# Altium PCB RTM_SFP.PcbDoc (part 4 of 5)
Units mm, origin at the board's own origin, x right, y up, seen from the top; angles counter-clockwise.
Board outline 182.5 x 148.5 mm, 4 copper layers (Top Layer, MidPlane_1, MidPlane_2, Bottom Layer), stack 1.614 mm thick; 376 components, 325 nets, 1560 pads, 1463 vias.
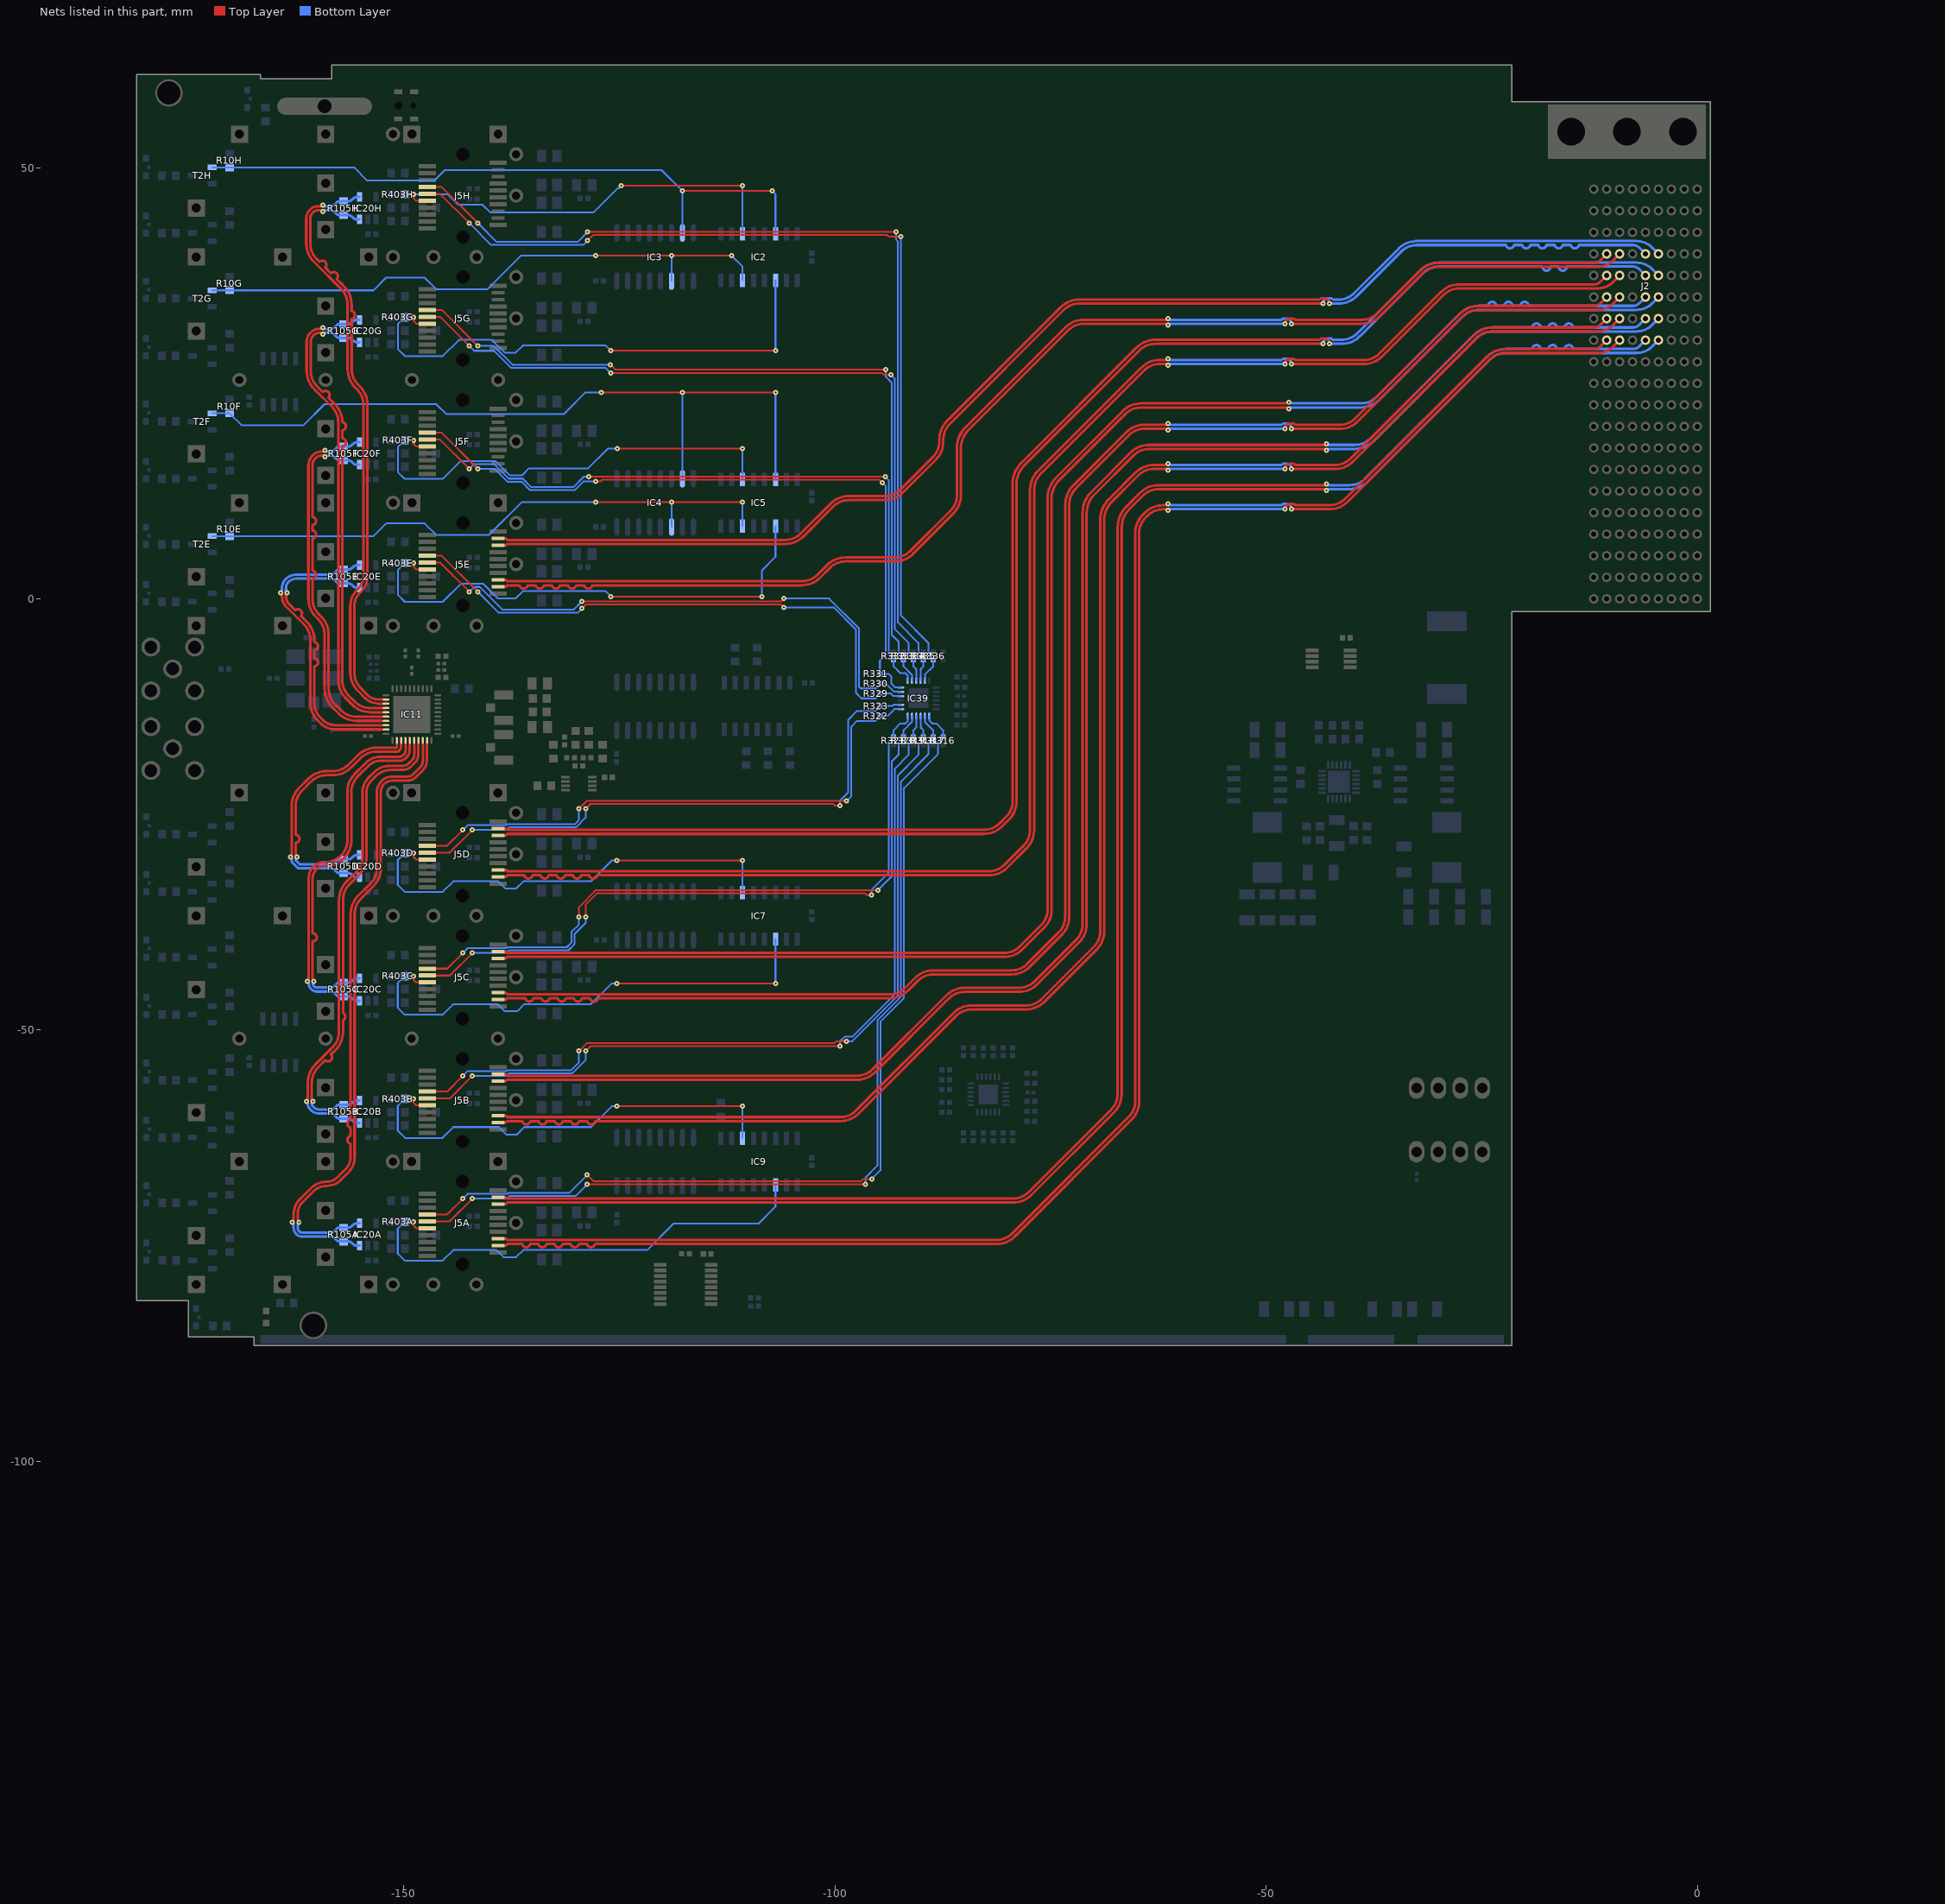
[diagram p6: the nets of this part, all layers, seen from the top]

## Via types
v1: diameter 0.6, hole 0.2, Top Layer to Bottom Layer, tented both sides, 1383 vias
v2: diameter 0.6, hole 0.3, Top Layer to Bottom Layer, tented both sides, 51 vias
v3: diameter 0.66, hole 0.33, Top Layer to Bottom Layer, tented top, 24 vias
v4: diameter 0.6, hole 0.4, Top Layer to Bottom Layer, tented both sides, 5 vias

## Nets (pads, with @x,y where several pads share a name; then routed paths per layer and width w, separated by ;. In a path a pad name is that pad's centre, name@x,y a point inside that pad or via, vN(x,y) a via of type N, cw(c..) or ccw(c..) an arc to the next point about the centre after c; other vN are vias at no path point) (continued)
SFP4RX_N: J2.F7 J5E.12 | length 150.2
  Top Layer w0.305: J5E.12@-139.075,1.406 -138.171,1.406 -138.094,1.483 -137.999,1.578 -137.54,1.578 -136.6,1.578 ccw(c-136.13,1.677) -135.66,1.578 -134.721,1.578 ccw(c-134.251,1.677) -133.781,1.578 -132.841,1.578 ccw(c-132.371,1.677) -131.901,1.578 -130.961,1.578 ccw(c-130.491,1.677) -130.022,1.578 -129.082,1.578 ccw(c-128.612,1.677) -128.142,1.578 -128.09,1.578 -103.856,1.578 ccw(c-103.856,4.571) -101.739,2.455 -100.597,3.596 cw(c-98.801,1.8) -98.801,4.34 -93.041,4.34 ccw(c-93.041,7.255) -90.98,5.194 -86.281,9.893 ccw(c-88.382,11.995) -85.41,11.995 -85.41,17.461 cw(c-82.413,17.461) -84.532,19.58 ; -84.532,19.58 -72.949,31.164 cw(c-71.153,29.368) -71.153,31.908 -61.529,31.908 v1(-61.382,31.76) ; v1(-47.82,31.908) cw(c-47.215,31.908) -47.215,32.512 -46.809,32.512 -46.662,32.365 -38.904,32.365 ccw(c-38.904,34.905) -37.108,33.109 -32.128,38.088 cw(c-30,35.96) -30,38.97 -11.933,38.97 ccw(c-11.933,39.943) -11.245,39.255 J2.F7@-10.5,40
  Bottom Layer w0.305: v1(-61.382,31.76) -61.234,31.908 v1@-47.968,31.908
SFP4RX_P: J2.E7 J5E.13 | length 150.2
  Top Layer w0.305: J5E.13@-139.075,2.206 -138.171,2.206 -137.999,2.035 -103.857,2.035 ccw(c-103.857,4.575) -102.061,2.779 -100.91,3.93 cw(c-98.816,1.836) -98.816,4.797 -93.075,4.797 ccw(c-93.075,7.337) -91.279,5.541 -86.611,10.209 ccw(c-88.407,12.005) -85.867,12.005 -85.867,17.487 cw(c-82.475,17.487) -84.874,19.885 -73.269,31.49 cw(c-71.157,29.378) -71.157,32.365 -61.529,32.365 v1(-61.382,32.512) ; v1(-47.06,31.908) -38.899,31.908 ccw(c-38.899,34.918) -36.771,32.789 -31.791,37.769 cw(c-29.995,35.973) -29.995,38.513 -11.539,38.513 ccw(c-11.539,41.053) -9.743,39.257 J2.E7@-9,40
  Bottom Layer w0.305: v1(-61.382,32.512) -61.234,32.365 -48.218,32.365 -48.071,32.512 -47.665,32.512 cw(c-47.665,31.908) v1(-47.06,31.908)
SFP4TX_N: J2.D7 J5E.19 | length 150.5
  Top Layer w0.305: J5E.19@-139.075,7.006 -138.171,7.006 -137.999,6.835 -105.774,6.835 ccw(c-105.774,9.375) -103.978,7.579 -100.515,11.042 cw(c-98.419,8.947) -98.419,11.91 -94.239,11.91 ccw(c-94.239,14.45) -92.443,12.654 -88.643,16.453 ccw(c-90.439,18.249) -87.899,18.249 -87.899,18.494 cw(c-84.906,18.494) -87.023,20.61 -73.809,33.824 cw(c-71.693,31.708) -71.693,34.7 -43.811,34.7 -43.666,34.845 -43.26,34.845 cw(c-43.26,34.24) v1(-42.655,34.24)
  Bottom Layer w0.305: v1@-42.508,34.24 -41.6,34.24 ccw(c-41.6,37.235) -39.483,35.117 -34.314,40.286 cw(c-32.518,38.49) -32.518,41.03 -22.188,41.03 ccw(c-21.718,41.129) -21.248,41.03 -20.309,41.03 ccw(c-19.839,41.129) -19.369,41.03 -18.429,41.03 ccw(c-17.959,41.129) -17.489,41.03 -16.549,41.03 ccw(c-16.08,41.129) -15.61,41.03 -14.67,41.03 ccw(c-14.2,41.129) -13.73,41.03 -7.433,41.03 cw(c-7.433,40.057) -6.745,40.745 J2.D7@-6,40
SFP4TX_P: J2.C7 J5E.18 | length 150.6
  Top Layer w0.305: J5E.18@-139.075,6.206 -138.171,6.206 -137.999,6.378 -105.76,6.378 ccw(c-105.76,9.341) -103.664,7.246 -100.201,10.709 cw(c-98.405,8.913) -98.405,11.453 -94.238,11.453 ccw(c-94.238,14.449) -92.12,12.33 -88.316,16.134 ccw(c-90.425,18.243) -87.442,18.243 -87.442,18.492 cw(c-84.902,18.492) -86.698,20.288 -73.487,33.499 cw(c-71.691,31.703) -71.691,34.243 v1@-43.415,34.243
  Bottom Layer w0.305: v1(-43.415,34.24) cw(c-42.81,34.24) -42.81,34.845 -42.405,34.845 -42.257,34.697 -41.601,34.697 ccw(c-41.601,37.237) -39.805,35.441 -34.634,40.613 cw(c-32.523,38.502) -32.523,41.487 ; -32.707,41.487 -7.039,41.487 cw(c-7.039,38.947) -5.243,40.743 J2.C7@-4.5,40
SFP5RX_N: J2.F6 J5D.12 | length 183.2
  Top Layer w0.305: J5D.12@-139.09,-32.224 -138.181,-32.224 -138.009,-32.052 -136.97,-32.052 -136.03,-32.052 ccw(c-135.56,-31.953) -135.09,-32.052 -134.151,-32.052 ccw(c-133.681,-31.953) -133.211,-32.052 -132.271,-32.052 ccw(c-131.801,-31.953) -131.331,-32.052 -130.391,-32.052 ccw(c-129.922,-31.953) -129.452,-32.052 -128.512,-32.052 ccw(c-128.042,-31.953) -127.572,-32.052 -127.23,-32.052 -82.147,-32.052 ccw(c-82.147,-29.104) -80.062,-31.189 -77.768,-28.895 ccw(c-79.814,-26.849) -76.921,-26.849 -76.921,12.667 cw(c-74.381,12.667) -76.177,14.463 -64.14,26.499 cw(c-62.344,24.703) -62.344,27.243 -61.518,27.243 v1(-61.37,27.096) ; v1(-47.808,27.243) cw(c-47.203,27.243) -47.203,27.848 -46.798,27.848 -46.65,27.7 -38.662,27.7 ccw(c-38.662,30.24) -36.866,28.444 -29.718,35.592 cw(c-27.599,33.474) -27.599,36.47 -11.933,36.47 ccw(c-11.933,37.443) -11.245,36.755 J2.F6@-10.5,37.5
  Bottom Layer w0.305: v1(-61.37,27.096) -61.222,27.243 v1@-47.956,27.243
SFP5RX_P: J2.E6 J5D.13 | length 183.1
  Top Layer w0.305: J5D.13@-139.09,-31.424 -138.181,-31.424 -138.009,-31.595 -82.167,-31.595 ccw(c-82.167,-29.055) -80.371,-30.851 -78.122,-28.602 ccw(c-79.918,-26.806) -77.378,-26.806 -77.378,12.679 cw(c-74.411,12.679) -76.51,14.776 ; -76.509,14.777 -64.457,26.83 cw(c-62.355,24.728) -62.355,27.7 -61.518,27.7 v1(-61.37,27.848) ; -76.501,14.785 cw(c-74.381,12.667) -76.5,14.786 ; v1(-47.048,27.243) -38.647,27.243 ccw(c-38.647,30.205) -36.553,28.111 -29.395,35.269 cw(c-27.599,33.473) -27.599,36.013 -11.539,36.013 ccw(c-11.539,38.553) -9.743,36.757 J2.E6@-9,37.5
  Bottom Layer w0.305: v1(-61.37,27.848) -61.222,27.7 -48.206,27.7 -48.059,27.848 -47.653,27.848 cw(c-47.653,27.243) v1(-47.048,27.243)
SFP5TX_N: J2.D6 J5D.19 | length 185.2
  Top Layer w0.305: J5D.19@-139.09,-26.624 -138.181,-26.624 -138.009,-26.795 -82.737,-26.795 ccw(c-82.737,-24.255) -80.941,-26.051 -80.154,-25.264 ccw(c-81.95,-23.468) -79.41,-23.468 ; -79.41,-22.7 -79.41,-23.468 ; v1(-42.652,29.573) ccw(c-43.257,29.573) -43.257,30.178 -43.663,30.178 -43.811,30.03 -62.904,30.03 ccw(c-62.904,27.07) -64.997,29.163 -78.41,15.75 ccw(c-75.995,13.335) -79.41,13.335 -79.41,-23.468
  Bottom Layer w0.305: v1@-42.505,29.573 -41.236,29.573 ccw(c-41.236,32.564) -39.121,30.449 -31.784,37.786 cw(c-29.988,35.99) -29.988,38.53 -18.9,38.53 -17.96,38.53 ccw(c-17.49,38.53) -17.02,38.53 -16.081,38.53 ccw(c-15.611,38.53) -15.141,38.53 -15.04,38.53 -7.433,38.53 cw(c-7.433,37.557) -6.745,38.245 J2.D6@-6,37.5
SFP5TX_P: J2.C6 J5D.18 | length 185.1
  Top Layer w0.305: J5D.18@-139.09,-27.424 -138.181,-27.424 -138.009,-27.252 -82.736,-27.252 ccw(c-82.736,-24.257) -80.619,-26.375 -79.824,-25.58 ccw(c-81.927,-23.478) -78.953,-23.478 -78.953,13.319 cw(c-75.956,13.319) -78.075,15.438 -64.685,28.829 cw(c-62.889,27.033) -62.889,29.573 v1(-43.412,29.573)
  Bottom Layer w0.305: v1(-43.412,29.573) cw(c-42.808,29.573) -42.808,30.178 -42.402,30.178 -42.254,30.03 -41.239,30.03 ccw(c-41.239,32.57) -39.443,30.774 -32.102,38.115 cw(c-29.996,36.01) -29.996,38.987 -7.039,38.987 cw(c-7.039,36.447) -5.243,38.243 J2.C6@-4.5,37.5
SFP6RX_N: J2.F5 J5C.12 | length 192.7
  Top Layer w0.305: J5C.12@-139.09,-46.474 -138.181,-46.474 -138.009,-46.302 -136.87,-46.302 -135.93,-46.302 ccw(c-135.46,-46.203) -134.99,-46.302 -134.051,-46.302 ccw(c-133.581,-46.203) -133.111,-46.302 -132.171,-46.302 ccw(c-131.701,-46.203) -131.231,-46.302 -130.291,-46.302 ccw(c-129.822,-46.203) -129.352,-46.302 -128.412,-46.302 ccw(c-127.942,-46.203) -127.472,-46.302 -127.26,-46.302 -93.641,-46.302 ccw(c-93.641,-43.345) -91.55,-45.436 -90.393,-44.28 cw(c-88.597,-46.076) -88.597,-43.536 -79.502,-43.536 ccw(c-79.502,-40.584) -77.415,-42.671 -73.712,-38.968 ccw(c-75.775,-36.905) -72.857,-36.905 -72.857,10.794 cw(c-69.86,10.794) -71.979,12.913 -65.916,18.976 cw(c-64.12,17.18) -64.12,19.72 -61.518,19.72 v1(-61.37,19.572) ; v1(-47.808,19.72) cw(c-47.203,19.72) -47.203,20.325 -46.798,20.325 -46.65,20.177 -41.471,20.177 ccw(c-41.471,22.717) -39.675,20.921 -27.495,33.102 cw(c-25.399,31.007) -25.399,33.97 -11.933,33.97 ccw(c-11.933,34.943) -11.245,34.255 J2.F5@-10.5,35
  Bottom Layer w0.305: v1(-61.37,19.572) -61.222,19.72 v1@-47.956,19.72
SFP6RX_P: J2.E5 J5C.13 | length 192.7
  Top Layer w0.305: J5C.13@-139.09,-45.674 -138.181,-45.674 -138.009,-45.845 -93.657,-45.845 ccw(c-93.657,-43.305) -91.861,-45.101 -90.714,-43.954 cw(c-88.601,-46.066) -88.601,-43.079 -79.521,-43.079 ccw(c-79.521,-40.539) -77.725,-42.335 -74.058,-38.668 ccw(c-75.854,-36.872) -73.314,-36.872 -73.314,10.836 cw(c-69.961,10.836) -72.332,13.207 -66.228,19.311 cw(c-64.137,17.221) -64.137,20.177 -61.518,20.177 v1(-61.37,20.325) ; v1(-47.048,19.72) -41.451,19.72 ccw(c-41.451,22.669) -39.366,20.584 -27.181,32.769 cw(c-25.385,30.973) -25.385,33.513 -11.539,33.513 ccw(c-11.539,36.053) -9.743,34.257 J2.E5@-9,35
  Bottom Layer w0.305: v1(-61.37,20.325) -61.222,20.177 -48.206,20.177 -48.059,20.325 -47.653,20.325 cw(c-47.653,19.72) v1(-47.048,19.72)
SFP6TX_N: J2.D5 J5C.19 | length 195
  Top Layer w0.305: J5C.19@-139.09,-40.874 -138.181,-40.874 -138.009,-41.045 -80.367,-41.045 ccw(c-80.367,-38.505) -78.571,-40.301 -76.86,-38.59 -76.09,-37.82 ccw(c-77.886,-36.024) -75.346,-36.024 -75.346,11.658 cw(c-71.945,11.658) -74.35,14.063 -66.623,21.79 cw(c-64.522,19.688) -64.522,22.66 -47.518,22.66 v1(-47.37,22.808)
  Bottom Layer w0.305: v1(-47.37,22.808) -47.222,22.66 -38.989,22.66 ccw(c-38.989,25.2) -37.193,23.404 -27.502,33.095 cw(c-25.389,30.983) -25.389,33.97 -24.25,33.97 cw(c-23.78,33.97) -23.31,33.97 -22.37,33.97 cw(c-21.901,33.97) -21.431,33.97 -20.491,33.97 cw(c-20.021,33.97) -19.551,33.97 -7.433,33.97 ccw(c-7.433,34.943) -6.745,34.255 J2.D5@-6,35
SFP6TX_P: J2.C5 J5C.18 | length 195
  Top Layer w0.305: J5C.18@-139.09,-41.674 -138.181,-41.674 -138.009,-41.502 -80.347,-41.502 ccw(c-80.347,-38.554) -78.262,-40.639 -75.74,-38.116 ccw(c-77.794,-36.062) -74.889,-36.062 -74.889,11.636 cw(c-71.892,11.636) -74.011,13.755 -66.307,21.459 cw(c-64.511,19.663) -64.511,22.203 -47.518,22.203 v1(-47.37,22.055)
  Bottom Layer w0.305: v1(-47.37,22.055) -47.222,22.203 -38.982,22.203 ccw(c-38.982,25.184) -36.874,23.076 -27.181,32.769 cw(c-25.385,30.973) -25.385,33.513 -7.039,33.513 ccw(c-7.039,36.053) -5.243,34.257 J2.C5@-4.5,35
SFP7RX_N: J2.F4 J5B.12 | length 197.6
  Top Layer w0.305: J5B.12@-139.09,-60.724 -138.181,-60.724 -138.009,-60.552 -137.21,-60.552 -136.27,-60.552 ccw(c-135.8,-60.453) -135.33,-60.552 -134.391,-60.552 ccw(c-133.921,-60.453) -133.451,-60.552 -132.511,-60.552 ccw(c-132.041,-60.453) -131.571,-60.552 -130.631,-60.552 ccw(c-130.161,-60.453) -129.692,-60.552 -128.752,-60.552 ccw(c-128.282,-60.453) -127.812,-60.552 -127.61,-60.552 -99.371,-60.552 ccw(c-99.371,-57.587) -97.273,-59.684 -85.934,-48.344 cw(c-84.138,-50.14) -84.138,-47.6 -77.831,-47.6 ccw(c-77.831,-44.619) -75.723,-46.727 -69.665,-40.669 ccw(c-71.772,-38.563) -68.793,-38.563 -68.793,9.111 cw(c-65.796,9.111) -67.915,11.23 ; -67.915,11.23 -64.826,14.319 cw(c-63.03,12.523) -63.03,15.063 -61.518,15.063 v1(-61.37,14.915) ; v1(-47.808,15.063) cw(c-47.203,15.063) -47.203,15.668 -46.798,15.668 -46.65,15.52 -42.022,15.52 ccw(c-42.022,18.06) -40.226,16.264 -25.893,30.597 cw(c-23.786,28.491) -23.786,31.47 -11.933,31.47 ccw(c-11.933,32.443) -11.245,31.755 J2.F4@-10.5,32.5
  Bottom Layer w0.305: v1(-61.37,14.915) -61.222,15.063 v1@-47.956,15.063
SFP7RX_P: J2.E4 J5B.13 | length 197.5
  Top Layer w0.305: J5B.13@-139.09,-59.924 -138.181,-59.924 -138.009,-60.095 -99.384,-60.095 ccw(c-99.384,-57.555) -97.588,-59.351 -86.255,-48.019 cw(c-84.14,-50.133) -84.14,-47.143 -77.838,-47.143 ccw(c-77.838,-44.603) -76.041,-46.399 -69.994,-40.351 ccw(c-71.79,-38.555) -69.25,-38.555 -69.25,9.124 cw(c-65.827,9.124) -68.247,11.544 -65.146,14.645 cw(c-63.034,12.533) -63.034,15.52 -61.518,15.52 v1(-61.37,15.668) ; v1(-47.048,15.063) -42.017,15.063 ccw(c-42.017,18.048) -39.906,15.937 -25.575,30.269 cw(c-23.779,28.473) -23.779,31.013 -11.539,31.013 ccw(c-11.539,33.553) -9.743,31.757 J2.E4@-9,32.5
  Bottom Layer w0.305: v1(-61.37,15.668) -61.222,15.52 -48.206,15.52 -48.059,15.668 -47.653,15.668 cw(c-47.653,15.063) v1(-47.048,15.063)
SFP7TX_N: J2.D4 J5B.19 | length 199.6
  Top Layer w0.305: J5B.19@-139.09,-55.124 -138.181,-55.124 -138.009,-55.295 -97.457,-55.295 ccw(c-97.457,-52.755) -95.661,-54.551 -87.067,-45.957 cw(c-85.023,-48.001) -85.023,-45.111 -78.679,-45.111 ccw(c-78.679,-42.571) -76.883,-44.367 -72.026,-39.51 ccw(c-73.822,-37.714) -71.282,-37.714 -71.282,10.06 ; -71.276,10.06 cw(c-68.068,10.06) -70.336,12.329 -65.676,16.99 cw(c-63.598,14.912) -63.598,17.85 -43.158,17.85 v1(-43.01,17.998)
  Bottom Layer w0.305: v1(-43.01,17.998) -42.862,17.85 -39.702,17.85 ccw(c-39.702,20.39) -37.906,18.594 -25.904,30.596 cw(c-23.794,28.486) -23.794,31.47 -19.12,31.47 cw(c-18.65,31.468) -18.18,31.47 -17.24,31.47 cw(c-16.77,31.468) -16.301,31.47 -15.361,31.47 cw(c-14.891,31.468) -14.421,31.47 -14.38,31.47 -7.433,31.47 ccw(c-7.433,32.443) -6.745,31.755 J2.D4@-6,32.5
SFP7TX_P: J2.C4 J5B.18 | length 199.7
  Top Layer w0.305: J5B.18@-139.09,-55.924 -138.181,-55.924 -138.009,-55.752 -97.437,-55.752 ccw(c-97.437,-52.804) -95.352,-54.889 -86.775,-46.312 cw(c-84.979,-48.108) -84.979,-45.568 -78.654,-45.568 ccw(c-78.654,-42.631) -76.578,-44.708 -71.67,-39.8 ccw(c-73.709,-37.76) -70.825,-37.76 -70.825,9.957 ; -70.82,9.957 cw(c-67.823,9.957) -69.942,12.076 -65.37,16.649 cw(c-63.574,14.853) -63.574,17.393 -43.158,17.393 v1(-43.01,17.245) v1@-43.01,17.303
  Bottom Layer w0.305: v1(-43.01,17.245) -42.862,17.393 -39.696,17.393 ccw(c-39.696,20.376) -37.587,18.267 -25.585,30.269 cw(c-23.789,28.473) -23.789,31.013 -7.039,31.013 ccw(c-7.039,33.553) -5.243,31.757 J2.C4@-4.5,32.5
SFP8RX_N: J2.F3 J5A.12 | length 213.3
  Top Layer w0.305: J5A.12@-139.09,-74.974 -138.181,-74.974 -138.009,-74.802 -137.23,-74.802 -136.29,-74.802 ccw(c-135.82,-74.703) -135.35,-74.802 -134.411,-74.802 ccw(c-133.941,-74.703) -133.471,-74.802 -132.531,-74.802 ccw(c-132.061,-74.703) -131.591,-74.802 -130.651,-74.802 ccw(c-130.181,-74.703) -129.712,-74.802 -128.772,-74.802 ccw(c-128.302,-74.703) -127.832,-74.802 -127.21,-74.802 -81.237,-74.802 ccw(c-81.237,-71.895) -79.18,-73.951 -65.599,-60.369 ccw(c-67.699,-58.269) -64.729,-58.269 -64.729,7.617 cw(c-62.189,7.617) -63.985,9.413 -63.746,9.652 cw(c-61.949,7.856) -61.949,10.396 -61.521,10.396 v1(-61.373,10.248) ; v1(-47.811,10.396) cw(c-47.207,10.396) -47.207,11.001 -46.801,11.001 -46.653,10.853 -42.645,10.853 ccw(c-42.645,13.393) -40.849,11.597 -24.345,28.102 cw(c-22.249,26.007) -22.249,28.97 -11.933,28.97 ccw(c-11.933,29.943) -11.245,29.255 J2.F3@-10.5,30
  Bottom Layer w0.305: v1(-61.373,10.248) -61.226,10.396 v1@-47.959,10.396
SFP8RX_P: J2.E3 J5A.13 | length 213.2
  Top Layer w0.305: J5A.13@-139.09,-74.174 -138.181,-74.174 -138.009,-74.345 -81.274,-74.345 ccw(c-81.274,-71.805) -79.478,-73.601 -65.93,-60.054 ccw(c-67.726,-58.258) -65.186,-58.258 -65.186,7.624 cw(c-62.207,7.624) -64.313,9.731 -64.056,9.988 cw(c-61.967,7.898) -61.967,10.853 -61.521,10.853 v1(-61.373,11.001) ; v1(-47.051,10.396) -42.636,10.396 ccw(c-42.636,13.371) -40.533,11.267 -24.031,27.769 cw(c-22.235,25.973) -22.235,28.513 -11.539,28.513 ccw(c-11.539,31.053) -9.743,29.257 J2.E3@-9,30
  Bottom Layer w0.305: v1(-61.373,11.001) -61.226,10.853 -48.21,10.853 -48.062,11.001 -47.656,11.001 cw(c-47.656,10.396) v1(-47.051,10.396)
SFP8TX_N: J2.D3 J5A.19 | length 215.3
  Top Layer w0.305: J5A.19@-139.09,-69.374 -138.181,-69.374 -138.009,-69.545 -79.347,-69.545 ccw(c-79.347,-67.005) -77.551,-68.801 -67.962,-59.212 ccw(c-69.758,-57.416) -67.218,-57.416 -67.218,8.287 cw(c-63.807,8.287) -66.219,10.699 -64.597,12.321 cw(c-62.498,10.222) -62.498,13.19 -43.178,13.19 v1(-43.03,13.338)
  Bottom Layer w0.305: v1(-43.03,13.338) -42.882,13.19 -40.309,13.19 ccw(c-40.309,15.73) -38.513,13.934 -24.351,28.096 cw(c-22.24,25.985) -22.24,28.97 -19.12,28.97 cw(c-18.65,28.968) -18.18,28.97 -17.24,28.97 cw(c-16.77,28.968) -16.301,28.97 -15.361,28.97 cw(c-14.891,28.968) -14.421,28.97 -13.98,28.97 -7.433,28.97 ccw(c-7.433,29.943) -6.745,29.255 J2.D3@-6,30
SFP8TX_P: J2.C3 J5A.18 | length 215.4
  Top Layer w0.305: J5A.18@-139.09,-70.174 -138.181,-70.174 -138.009,-70.002 -79.327,-70.002 ccw(c-79.327,-67.054) -77.242,-69.139 -67.636,-59.532 ccw(c-69.748,-57.42) -66.761,-57.42 -66.761,8.269 cw(c-63.764,8.269) -65.883,10.388 -64.283,11.989 cw(c-62.486,10.193) -62.486,12.733 -43.178,12.733 v1(-43.03,12.585) v1@-43.03,12.643
  Bottom Layer w0.305: v1(-43.03,12.585) -42.882,12.733 -40.299,12.733 ccw(c-40.299,15.707) -38.196,13.604 -24.031,27.769 cw(c-22.235,25.973) -22.235,28.513 -7.039,28.513 ccw(c-7.039,31.053) -5.243,29.257 J2.C3@-4.5,30
SFP_CLK1.CLOCK_N: IC11.13 IC20H.4 R105H.2 | length 69
  Top Layer w0.254: -152.632,-12.139 -152.611,-12.16 IC11.13@-152.08,-12.16
  Top Layer w0.305: -160.91,45.1 ccw(c-159.896,44.086) -161.33,44.086 -161.33,41.21 ccw(c-158.344,41.21) -160.455,39.098 -157.271,35.914 cw(c-159.067,34.118) -156.527,34.118 -156.527,26.613 ccw(c-153.567,26.613) -155.66,24.52 -155.424,24.284 cw(c-157.22,22.488) -154.68,22.488 -154.68,2.691 cw(c-156.831,2.691) -155.31,1.17 -155.46,1.02 ccw(c-153.626,-0.814) -156.22,-0.814 -156.22,-8.556 ccw(c-153.241,-8.556) -155.347,-10.663 -154.536,-11.474 ; -160.9,45.11 -160.843,45.167 cw(c-159.97,44.294) -159.97,45.529 -159.558,45.529 v1(-159.41,45.676) ; -154.535,-11.475 ccw(c-152.931,-9.869) -152.931,-12.139 -152.632,-12.139
  Bottom Layer w0.305: v1(-159.41,45.676) -159.262,45.529 -158.623,45.529 ccw(c-158.623,46.473) -157.955,45.805 -157.773,45.987 cw(c-157.501,45.715) -157.501,46.1 -156.486,46.1 ccw(c-156.486,46.766) -156.015,46.295 -155.908,46.402 cw(c-155.43,45.924) -155.43,46.6 IC20H.4@-155.13,46.6
SFP_CLK1.CLOCK_P: IC11.12 IC20H.3 R105H.1 | length 69
  Top Layer w0.254: -152.632,-11.681 -152.611,-11.66 IC11.12@-152.08,-11.66
  Top Layer w0.305: -160.52,44.843 -160.582,44.781 ccw(c-159.881,44.08) -160.873,44.08 -160.873,41.214 ccw(c-158.333,41.214) -160.129,39.418 -160.085,39.375 -159.793,39.083 cw(c-159.461,38.751) -159.129,38.418 -158.464,37.754 cw(c-158.132,37.421) -157.8,37.089 -157.135,36.425 -156.946,36.236 cw(c-159.062,34.12) -156.07,34.12 -156.07,33.51 -156.07,33.38 cw(c-156.169,32.91) -156.07,32.44 -156.07,31.5 -156.07,26.629 ccw(c-153.53,26.629) -155.326,24.833 -155.076,24.583 cw(c-157.137,22.522) -154.223,22.522 -154.223,2.61 cw(c-156.693,2.61) -154.946,0.864 -155.114,0.696 ccw(c-153.548,-0.87) -155.763,-0.87 -155.763,-8.549 ccw(c-153.223,-8.549) -155.019,-10.345 -154.235,-11.129 ccw(c-152.9,-9.793) -152.9,-11.681 -152.632,-11.681 ; -160.519,44.844 cw(c-159.97,44.293) -159.97,45.071 -159.558,45.071 v1(-159.41,44.924)
  Bottom Layer w0.305: v1(-159.41,44.924) -159.262,45.071 -158.618,45.071 cw(c-158.618,44.141) -157.96,44.799 -157.774,44.613 ccw(c-157.501,44.886) -157.501,44.5 -156.535,44.5 cw(c-156.535,43.715) -155.98,44.27 -155.901,44.191 ccw(c-155.44,44.652) -155.44,44 IC20H.3@-155.13,44
SFP_CLK2.CLOCK_N: IC11.15 IC20G.4 R105G.2 | length 55.5
  Top Layer w0.254: -152.631,-13.14 -152.611,-13.16 IC11.15@-152.08,-13.16
  Top Layer w0.305: v1(-159.41,31.436) -159.558,31.289 -159.91,31.289 ccw(c-159.91,30.086) -160.76,30.936 -160.924,30.773 ccw(c-160.071,29.92) -161.277,29.92 -161.277,26.432 ccw(c-158.297,26.432) -160.404,24.324 -158.354,22.274 cw(c-160.15,20.478) -157.61,20.478 -157.61,-9.421 ccw(c-154.627,-9.421) -156.736,-11.53 -155.977,-12.29 ccw(c-153.924,-10.237) -153.924,-13.14 -152.631,-13.14